# Altium PCB Archimajor.PcbDoc (part 7 of 12) (continued)
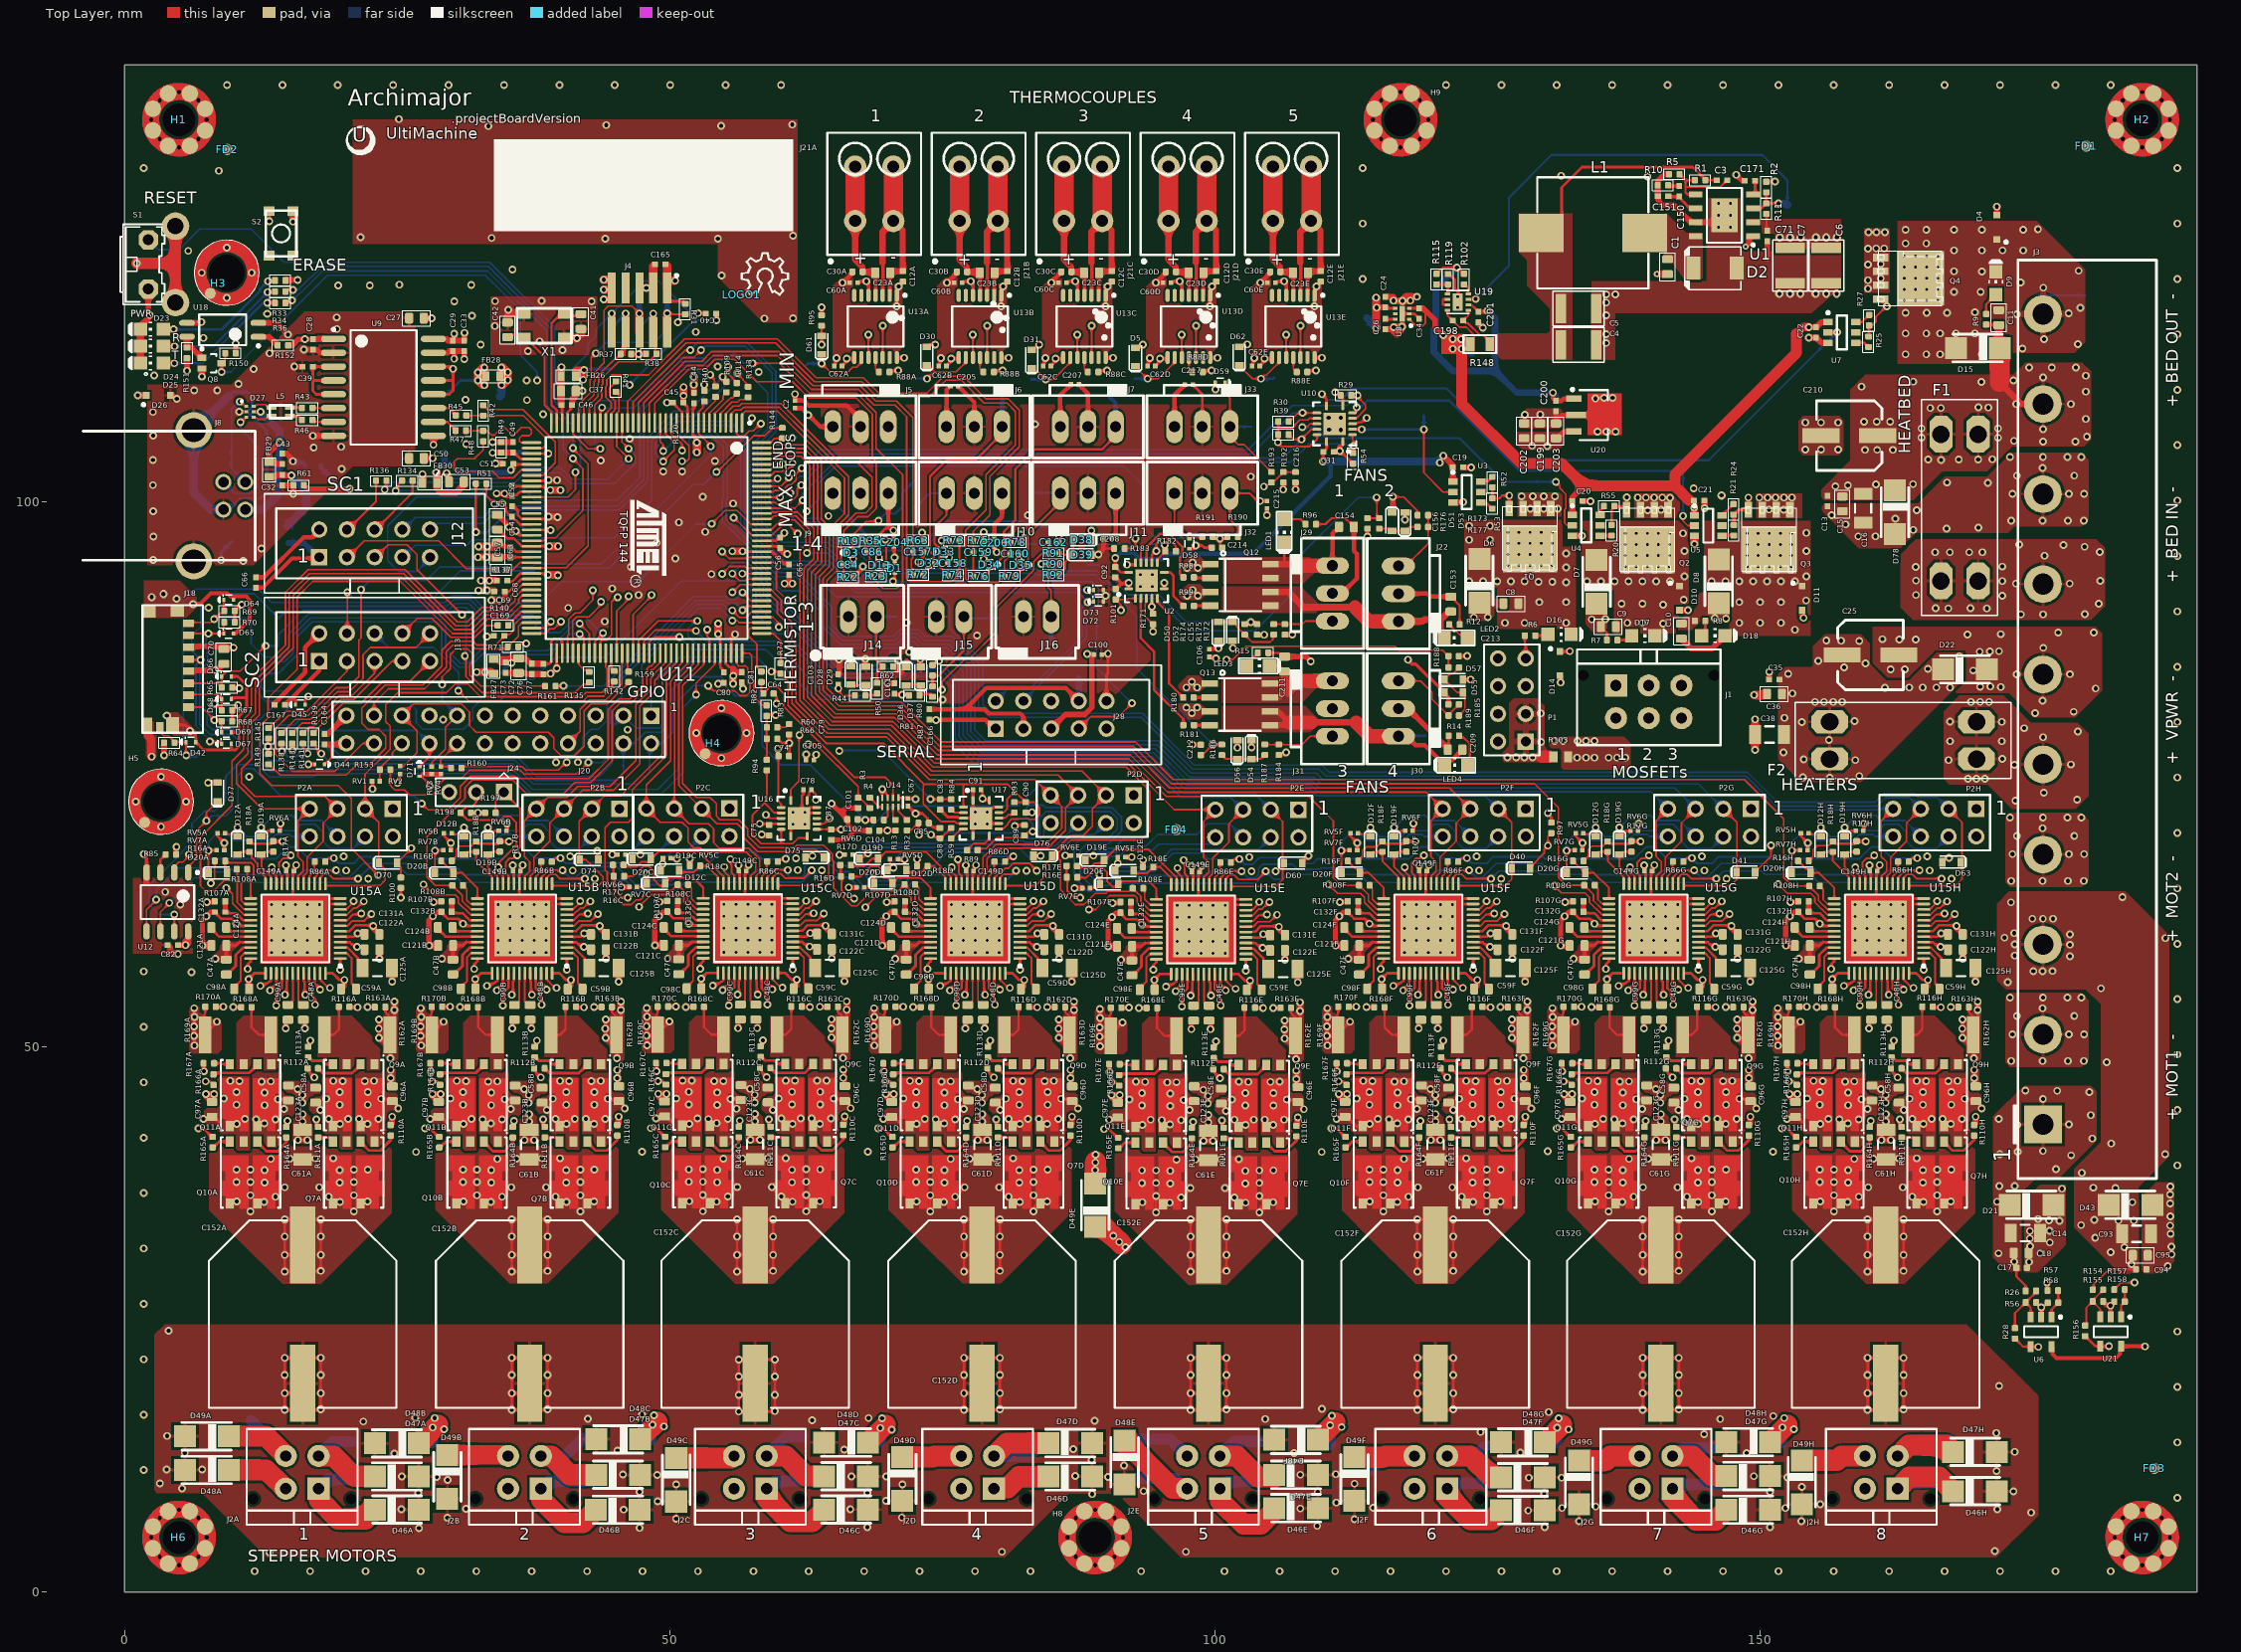
[diagram p0: Top Layer view]
## Nets (pads, with @x,y where several pads share a name; then routed paths per layer and width w, separated by ;. In a path a pad name is that pad's centre, name@x,y a point inside that pad or via, vN(x,y) a via of type N, cw(c..) or ccw(c..) an arc to the next point about the centre after c; other vN are vias at no path point) (continued)
  Top Layer w0.305: 107.806,121.909 107.863,121.851 107.863,120.401 107.818,120.355 U13E.3@107.818,118.889 ; U13E.2@108.468,118.889 108.483,118.904 108.483,120.948 C23E.2@108.496,120.961
  Top Layer w0.559: 107.806,121.909 107.806,124.715 J21E.2@108.798,125.708 109.664,124.841 C12E.1@109.664,121.106 ; C23E.2@108.498,120.961 108.643,121.106 C12E.1@109.664,121.106 ; C12E.1@109.677,121.106 C12E.1@109.664,121.106
  Top Layer w1.778: J21E.2@108.798,125.708 J21E.2@108.798,130.708
  Bottom Layer w0.203: J21E.2@108.798,125.708 108.798,128.089 TP23E.1@108.807,128.098
NetC23A_1: C23A.1 C30A.2 J21A.1 TP24A.1 U13A.4 | length 15.6
  Top Layer w0.305: U13A.4@68.865,118.889 C23A.1@68.865,120.961
  Top Layer w0.559: J21A.1@66.995,125.708 66.995,122.16 67.671,121.484 C30A.2@67.671,121.038 ; C30A.2@67.683,121.038 68.759,121.038 C23A.1@68.835,120.961
  Top Layer w1.778: J21A.1@66.995,125.708 J21A.1@66.995,130.708
  Bottom Layer w0.203: J21A.1@66.995,125.708 67.024,125.736 TP24A.1@67.024,128.098
NetC23B_1: C23B.1 C30B.2 J21B.1 TP24B.1 U13B.4 | length 15.6
  Top Layer w0.305: U13B.4@78.441,118.889 C23B.1@78.441,120.961
  Top Layer w0.559: J21B.1@76.571,125.708 76.571,122.16 77.247,121.484 C30B.2@77.247,121.038 ; C30B.2@77.259,121.038 78.334,121.038 C23B.1@78.411,120.961
  Top Layer w1.778: J21B.1@76.571,125.708 J21B.1@76.571,130.708
  Bottom Layer w0.203: J21B.1@76.571,125.708 76.613,125.75 TP24B.1@76.613,128.098
NetC23C_1: C23C.1 C30C.2 J21C.1 TP24C.1 U13C.4 | length 15.6
  Top Layer w0.305: U13C.4@88.016,118.889 C23C.1@88.016,120.961
  Top Layer w0.559: J21C.1@86.147,125.708 86.147,122.16 86.822,121.484 C30C.2@86.822,121.038 ; C30C.2@86.835,121.038 87.91,121.038 C23C.1@87.986,120.961
  Top Layer w1.778: J21C.1@86.147,125.708 J21C.1@86.147,130.708
  Bottom Layer w0.203: J21C.1@86.147,125.708 86.162,125.723 TP24C.1@86.162,128.098
NetC23D_1: C23D.1 C30D.2 J21D.1 TP24D.1 U13D.4 | length 15.6
  Top Layer w0.305: U13D.4@97.592,118.889 C23D.1@97.592,120.961
  Top Layer w0.559: J21D.1@95.722,125.708 95.722,122.16 96.398,121.484 C30D.2@96.398,121.038 ; C30D.2@96.41,121.038 97.486,121.038 C23D.1@97.562,120.961
  Top Layer w1.778: J21D.1@95.722,125.708 J21D.1@95.722,130.708
  Bottom Layer w0.203: J21D.1@95.722,125.708 95.771,125.756 TP24D.1@95.771,128.098
NetC23E_1: C23E.1 C30E.2 J21E.1 TP24E.1 U13E.4 | length 15.6
  Top Layer w0.305: U13E.4@107.168,118.889 C23E.1@107.168,120.961
  Top Layer w0.559: J21E.1@105.298,125.708 105.298,122.16 105.974,121.484 C30E.2@105.974,121.038 ; C30E.2@105.986,121.038 107.062,121.038 C23E.1@107.138,120.961
  Top Layer w1.778: J21E.1@105.298,125.708 J21E.1@105.298,130.708
  Bottom Layer w0.203: J21E.1@105.298,125.708 105.321,125.73 TP24E.1@105.321,128.098
NetC26_1: C26.1 U8.6 | length 0.9
  Top Layer w0.203: C26.1@115.592,116.75 115.636,116.705 U8.6@116.502,116.705
NetC41_2: C41.2 U11.35 X1.3 | length 12
  Top Layer w0.203: 39.167,116.331 39.167,108.818 39.629,108.356 U11.35@39.629,107.188 ; 39.166,116.331 39.842,117.008 C41.2@41.587,117.008
NetC42_2: C42.2 U11.36 X1.1 | length 10.6
  Top Layer w0.203: C42.2@35.237,115.306 X1.1@36.713,115.306 ; X1.1@36.63,115.003 X1.1@36.766,115.003 ; X1.1@36.912,115.003 X1.1@36.766,115.003 ; U11.36@39.129,107.188 39.129,108.209 38.512,108.826 38.512,113.257 X1.1@36.766,115.003
NetC43_2: C43.2 D27.5 FB29.2 J8.1 TP61.1 | length 16.2
  Top Layer w0.254: D27.5@11.843,108.213 12.421,108.213 12.421,108.187 v1@12.497,108.187
  Top Layer w0.508: v1(14.225,105.431) 13.296,104.502 FB29.2@13.296,103.584 13.812,103.584 13.812,103.524 13.895,103.441 C43.2@14.468,103.441
  Top Layer w0.635: J8.1@11.074,99.251 J8.1@11.108,99.218
  Bottom Layer w0.737: J8.1@11.074,99.251 12.725,99.251 13.974,100.5 13.974,103.315 TP61.1@14.075,103.416 14.075,104.036 14.224,104.185 14.224,106.439 13.058,107.605 ; v1(12.497,108.213) 12.497,108.111 13.03,107.578
NetC47A_1: C47A.1 U15A.34 | length 3.8
  Top Layer w0.203: 10.888,59.085 U15A.34@11.582,59.085
  Top Layer w0.254: C47A.1@9.385,56.573 10.211,57.399 10.211,58.408 10.888,59.085
NetC47B_1: C47B.1 U15B.34 | length 3.8
  Top Layer w0.203: 31.663,59.085 U15B.34@32.357,59.085
  Top Layer w0.254: C47B.1@30.16,56.573 30.986,57.399 30.986,58.408 31.663,59.085
NetC47C_1: C47C.1 U15C.34 | length 3.8
  Top Layer w0.203: 52.371,59.11 U15C.34@53.065,59.11
  Top Layer w0.254: C47C.1@50.868,56.597 51.694,57.423 51.694,58.432 52.371,59.11
NetC47D_1: C47D.1 U15D.34 | length 3.8
  Top Layer w0.203: 73.213,59.085 U15D.34@73.907,59.085
  Top Layer w0.254: C47D.1@71.71,56.573 72.536,57.399 72.536,58.408 73.213,59.085
NetC47E_1: C47E.1 U15E.34 | length 3.8
  Top Layer w0.203: 93.921,59.01 U15E.34@94.615,59.01
  Top Layer w0.254: C47E.1@92.418,56.497 93.244,57.323 93.244,58.332 93.921,59.01
NetC47F_1: C47F.1 U15F.34 | length 3.8
  Top Layer w0.203: 114.763,59.085 U15F.34@115.457,59.085
  Top Layer w0.254: C47F.1@113.26,56.573 114.086,57.399 114.086,58.408 114.763,59.085
NetC47G_1: C47G.1 U15G.34 | length 3.8
  Top Layer w0.203: 135.413,59.085 U15G.34@136.108,59.085
  Top Layer w0.254: C47G.1@133.91,56.573 134.736,57.399 134.736,58.408 135.413,59.085
NetC47H_1: C47H.1 U15H.34 | length 3.8
  Top Layer w0.203: 156.064,59.085 U15H.34@156.758,59.085
  Top Layer w0.254: C47H.1@154.56,56.573 155.386,57.399 155.386,58.408 156.064,59.085
NetC49_1: C49.1 R49.2 TP32.1 U11.40 | length 7
  Top Layer w0.229: C49.1@35.721,104.484 36.317,103.888 U11.40@37.329,103.888
  Top Layer w0.254: v1(33.757,104.458) v1@33.782,104.484 ; C49.1@35.593,104.484 C49.1@35.611,104.466
  Top Layer w0.508: v1@33.782,104.484 R49.2@34.544,104.484 C49.1@35.593,104.484
  Bottom Layer w0.305: v1(33.757,104.458) 33.82,104.521 TP32.1@36.957,104.521
NetC64_2: C64.2 R82.1 U14.2 | length 18.9
  Top Layer w0.152: R82.1@58.372,83.429 R82.1@58.393,83.429 58.393,82.559 C64.2@58.568,82.384 ; R82.1@58.463,83.509 R82.1@58.463,83.534
  Top Layer w0.165: C64.2@58.568,82.384 58.568,82.394 58.781,82.607 58.79,82.607 59.193,83.009 59.818,83.009 60.478,82.349 60.478,81.15 66.919,74.709 69.718,74.709 70.468,73.959 U14.2@70.468,72.817
NetC79_1: C79.1 R60.1 | length 1.2
  Top Layer w0.166: R60.1@59.848,79.284 60.624,79.284 60.924,79.584 C79.1@60.943,79.584
NetC124A_1: C124A.1 U15A.32 | length 4
  Top Layer w0.229: C124A.1@7.897,60.865 8.67,60.093 11.582,60.093 U15A.32@11.582,60.085
NetC124A_2: C124A.2 U15A.31 | length 2.4
  Top Layer w0.229: C124A.2@9.317,60.925 9.657,60.585 U15A.31@11.582,60.585
NetC124B_1: C124B.1 U15B.32 | length 4
  Top Layer w0.229: C124B.1@28.672,60.865 29.445,60.093 32.357,60.093 U15B.32@32.357,60.085
NetC124B_2: C124B.2 U15B.31 | length 2.4
  Top Layer w0.229: C124B.2@30.092,60.925 30.432,60.585 U15B.31@32.357,60.585
NetC124C_1: C124C.1 U15C.32 | length 4
  Top Layer w0.229: C124C.1@49.38,60.89 50.153,60.117 53.065,60.117 U15C.32@53.065,60.11
NetC124C_2: C124C.2 U15C.31 | length 2.4
  Top Layer w0.229: C124C.2@50.8,60.95 51.14,60.61 U15C.31@53.065,60.61
NetC124D_1: C124D.1 U15D.32 | length 4
  Top Layer w0.229: C124D.1@70.222,60.865 70.995,60.093 73.907,60.093 U15D.32@73.907,60.085
NetC124D_2: C124D.2 U15D.31 | length 2.4
  Top Layer w0.229: C124D.2@71.642,60.925 71.982,60.585 U15D.31@73.907,60.585
NetC124E_1: C124E.1 U15E.32 | length 4
  Top Layer w0.229: C124E.1@90.93,60.79 91.703,60.017 94.615,60.017 U15E.32@94.615,60.01
NetC124E_2: C124E.2 U15E.31 | length 2.4
  Top Layer w0.229: C124E.2@92.35,60.85 92.69,60.51 U15E.31@94.615,60.51
NetC124F_1: C124F.1 U15F.32 | length 4
  Top Layer w0.229: C124F.1@111.772,60.865 112.545,60.093 115.457,60.093 U15F.32@115.457,60.085
NetC124F_2: C124F.2 U15F.31 | length 2.4
  Top Layer w0.229: C124F.2@113.192,60.925 113.532,60.585 U15F.31@115.457,60.585
NetC124G_1: C124G.1 U15G.32 | length 4
  Top Layer w0.229: C124G.1@132.423,60.865 133.195,60.093 136.108,60.093 U15G.32@136.108,60.085
NetC124G_2: C124G.2 U15G.31 | length 2.4
  Top Layer w0.229: C124G.2@133.843,60.925 134.183,60.585 U15G.31@136.108,60.585
NetC124H_1: C124H.1 U15H.32 | length 4
  Top Layer w0.229: C124H.1@153.073,60.865 153.845,60.093 156.758,60.093 U15H.32@156.758,60.085
NetC124H_2: C124H.2 U15H.31 | length 2.4
  Top Layer w0.229: C124H.2@154.493,60.925 154.833,60.585 U15H.31@156.758,60.585
NetC125A_2: C125A.2 U15A.3 | length 3.1
  Top Layer w0.229: U15A.3@19.782,59.085 20.45,59.085 21.412,58.123 21.412,57.971 21.862,57.521 C125A.2@21.862,57.2
NetC125B_2: C125B.2 U15B.3 | length 3.1
  Top Layer w0.229: U15B.3@40.557,59.085 41.225,59.085 42.187,58.123 42.187,57.971 42.637,57.521 C125B.2@42.637,57.2
NetC125C_2: C125C.2 U15C.3 | length 3.1
  Top Layer w0.229: U15C.3@61.265,59.11 61.933,59.11 62.895,58.148 62.895,57.995 63.345,57.545 C125C.2@63.345,57.225
NetC125D_2: C125D.2 U15D.3 | length 3.1
  Top Layer w0.229: U15D.3@82.107,59.085 82.775,59.085 83.737,58.123 83.737,57.971 84.187,57.521 C125D.2@84.187,57.2
NetC125E_2: C125E.2 U15E.3 | length 3.1
  Top Layer w0.229: U15E.3@102.815,59.01 103.483,59.01 104.445,58.048 104.445,57.895 104.895,57.445 C125E.2@104.895,57.125
NetC125F_2: C125F.2 U15F.3 | length 3.1
  Top Layer w0.229: U15F.3@123.657,59.085 124.325,59.085 125.287,58.123 125.287,57.971 125.737,57.521 C125F.2@125.737,57.2
NetC125G_2: C125G.2 U15G.3 | length 3.1
  Top Layer w0.229: U15G.3@144.308,59.085 144.976,59.085 145.938,58.123 145.938,57.971 146.388,57.521 C125G.2@146.388,57.2
NetC125H_2: C125H.2 U15H.3 | length 3.1
  Top Layer w0.229: U15H.3@164.958,59.085 165.626,59.085 166.588,58.123 166.588,57.971 167.038,57.521 C125H.2@167.038,57.2
NetC131A_2: C131A.2 R107A.2 U15A.5 | length 18.9
  Top Layer w0.229: U15A.5@19.782,60.085 21.077,60.085 v1(21.377,60.385)
  Top Layer w0.305: v1(7.562,63.25) 8.23,63.25 R107A.2@8.28,63.3
  Top Layer w0.508: v1(21.377,60.385) v1@21.392,60.4
  Top Layer w0.61: v1@21.392,60.4 C131A.2@21.932,60.4
  Mid1 w0.305: v1(7.562,63.25) 7.612,63.25 7.937,62.925 10.987,62.925 11.762,63.7 18.237,63.7 21.012,60.925 21.012,60.75 v1(21.377,60.385) v1@21.377,60.26
  Mid1 w0.559: v1(21.377,60.385) v1@21.417,60.425
NetC131B_2: C131B.2 R107B.2 U15B.5 | length 18.9
  Top Layer w0.229: U15B.5@40.557,60.085 41.852,60.085 v1(42.152,60.385)
  Top Layer w0.305: v1(28.337,63.25) 29.005,63.25 R107B.2@29.055,63.3
  Top Layer w0.508: v1(42.152,60.385) v1@42.167,60.4
  Top Layer w0.61: v1@42.167,60.4 C131B.2@42.707,60.4
  Mid1 w0.305: v1(28.337,63.25) 28.387,63.25 28.712,62.925 31.762,62.925 32.537,63.7 39.012,63.7 41.787,60.925 41.787,60.75 v1(42.152,60.385) v1@42.152,60.26
  Mid1 w0.559: v1(42.152,60.385) v1@42.192,60.425
NetC131C_2: C131C.2 R107C.2 U15C.5 | length 18.9
  Top Layer w0.229: U15C.5@61.265,60.11 62.56,60.11 v1(62.86,60.41)
  Top Layer w0.305: v1(49.045,63.275) 49.713,63.275 R107C.2@49.763,63.325
  Top Layer w0.508: v1(62.86,60.41) v1@62.875,60.425
  Top Layer w0.61: v1@62.875,60.425 C131C.2@63.415,60.425
  Mid1 w0.305: v1(49.045,63.275) 49.095,63.275 49.42,62.95 52.47,62.95 53.245,63.725 59.72,63.725 62.495,60.95 62.495,60.775 v1(62.86,60.41) v1@62.86,60.285
  Mid1 w0.559: v1(62.86,60.41) v1@62.9,60.45
NetC131D_2: C131D.2 R107D.2 U15D.5 | length 18.9
  Top Layer w0.229: U15D.5@82.107,60.085 83.402,60.085 v1(83.702,60.385)
  Top Layer w0.305: v1(69.887,63.25) 70.555,63.25 R107D.2@70.605,63.3
  Top Layer w0.508: v1(83.702,60.385) v1@83.717,60.4
  Top Layer w0.61: v1@83.717,60.4 C131D.2@84.257,60.4
  Mid1 w0.305: v1(69.887,63.25) 69.937,63.25 70.262,62.925 73.312,62.925 74.087,63.7 80.562,63.7 83.337,60.925 83.337,60.75 v1(83.702,60.385) v1@83.702,60.26
  Mid1 w0.559: v1(83.702,60.385) v1@83.742,60.425
NetC131E_2: C131E.2 R107E.2 U15E.5 | length 18.9
  Top Layer w0.229: U15E.5@102.815,60.01 104.11,60.01 v1(104.41,60.31)
  Top Layer w0.305: v1(90.595,63.175) 91.263,63.175 R107E.2@91.313,63.225
  Top Layer w0.508: v1(104.41,60.31) v1@104.425,60.325
  Top Layer w0.61: v1@104.425,60.325 C131E.2@104.965,60.325
  Mid1 w0.305: v1(90.595,63.175) 90.645,63.175 90.97,62.85 94.02,62.85 94.795,63.625 101.27,63.625 104.045,60.85 104.045,60.675 v1(104.41,60.31) v1@104.41,60.185
  Mid1 w0.559: v1(104.41,60.31) v1@104.45,60.35
NetC131F_2: C131F.2 R107F.2 U15F.5 | length 18.7
  Top Layer w0.229: U15F.5@123.657,60.085 124.952,60.085 v1(125.252,60.385)
  Top Layer w0.305: v1(111.437,63.25) 112.105,63.25 R107F.2@112.155,63.3
  Top Layer w0.508: v1(125.252,60.385) v1@125.267,60.4
  Top Layer w0.61: v1@125.267,60.4 C131F.2@125.807,60.4
  Mid1 w0.305: v1(111.437,63.25) 115.187,63.25 115.637,63.7 122.112,63.7 124.887,60.925 124.887,60.75 v1(125.252,60.385) v1@125.252,60.26
  Mid1 w0.559: v1(125.252,60.385) v1@125.292,60.425
NetC131G_2: C131G.2 R107G.2 U15G.5 | length 18.7
  Top Layer w0.229: U15G.5@144.308,60.085 145.603,60.085 v1(145.903,60.385)
  Top Layer w0.305: v1(132.088,63.25) 132.755,63.25 R107G.2@132.805,63.3
  Top Layer w0.508: v1(145.903,60.385) v1@145.918,60.4
  Top Layer w0.61: v1@145.918,60.4 C131G.2@146.458,60.4
  Mid1 w0.305: v1(132.088,63.25) 135.838,63.25 136.288,63.7 142.763,63.7 145.538,60.925 145.538,60.75 v1(145.903,60.385) v1@145.903,60.26
  Mid1 w0.559: v1(145.903,60.385) v1@145.943,60.425
NetC131H_2: C131H.2 R107H.2 U15H.5 | length 18.7
  Top Layer w0.229: U15H.5@164.958,60.085 166.253,60.085 v1(166.553,60.385)
  Top Layer w0.305: v1(152.738,63.25) 153.405,63.25 R107H.2@153.455,63.3
  Top Layer w0.508: v1(166.553,60.385) v1@166.568,60.4
  Top Layer w0.61: v1@166.568,60.4 C131H.2@167.108,60.4
  Mid1 w0.305: v1(152.738,63.25) 156.488,63.25 156.938,63.7 163.413,63.7 166.188,60.925 166.188,60.75 v1(166.553,60.385) v1@166.553,60.26
  Mid1 w0.559: v1(166.553,60.385) v1@166.593,60.425
NetC132A_2: C132A.2 R107A.1 U15A.29 | length 3.6
  Top Layer w0.229: C132A.2@9.245,62.25 10.239,62.25 10.904,61.585 U15A.29@11.582,61.585
  Top Layer w0.254: C132A.2@9.242,62.328 C132A.2@9.245,62.325
  Top Layer w0.406: C132A.2@9.242,62.328 R107A.1@9.242,63.3
NetC132B_2: C132B.2 R107B.1 U15B.29 | length 3.6
  Top Layer w0.229: C132B.2@30.02,62.25 31.014,62.25 31.679,61.585 U15B.29@32.357,61.585
  Top Layer w0.254: C132B.2@30.017,62.328 C132B.2@30.02,62.325
  Top Layer w0.406: C132B.2@30.017,62.328 R107B.1@30.017,63.3
NetC132C_2: C132C.2 R107C.1 U15C.29 | length 3.6
  Top Layer w0.229: C132C.2@50.728,62.275 51.722,62.275 52.387,61.61 U15C.29@53.065,61.61
  Top Layer w0.254: C132C.2@50.725,62.352 C132C.2@50.728,62.35
  Top Layer w0.406: C132C.2@50.725,62.352 R107C.1@50.725,63.325
NetC132D_2: C132D.2 R107D.1 U15D.29 | length 3.6
  Top Layer w0.229: C132D.2@71.57,62.25 72.564,62.25 73.229,61.585 U15D.29@73.907,61.585
  Top Layer w0.254: C132D.2@71.567,62.328 C132D.2@71.57,62.325
  Top Layer w0.406: C132D.2@71.567,62.328 R107D.1@71.567,63.3
NetC132E_2: C132E.2 R107E.1 U15E.29 | length 3.6
  Top Layer w0.229: C132E.2@92.278,62.175 93.272,62.175 93.937,61.51 U15E.29@94.615,61.51
  Top Layer w0.254: C132E.2@92.275,62.252 C132E.2@92.278,62.25
  Top Layer w0.406: C132E.2@92.275,62.252 R107E.1@92.275,63.225
NetC132F_2: C132F.2 R107F.1 U15F.29 | length 3.6
  Top Layer w0.229: C132F.2@113.12,62.25 114.114,62.25 114.779,61.585 U15F.29@115.457,61.585
  Top Layer w0.254: C132F.2@113.117,62.328 C132F.2@113.12,62.325
  Top Layer w0.406: C132F.2@113.117,62.328 R107F.1@113.117,63.3
NetC132G_2: C132G.2 R107G.1 U15G.29 | length 3.6
  Top Layer w0.229: C132G.2@133.77,62.25 134.764,62.25 135.429,61.585 U15G.29@136.108,61.585
  Top Layer w0.254: C132G.2@133.768,62.328 C132G.2@133.77,62.325
  Top Layer w0.406: C132G.2@133.768,62.328 R107G.1@133.768,63.3
NetC132H_2: C132H.2 R107H.1 U15H.29 | length 3.6
  Top Layer w0.229: C132H.2@154.42,62.25 155.415,62.25 156.08,61.585 U15H.29@156.758,61.585
  Top Layer w0.254: C132H.2@154.418,62.328 C132H.2@154.42,62.325
  Top Layer w0.406: C132H.2@154.418,62.328 R107H.1@154.418,63.3
NetC150_1: C150.1 R10.2 | length 1
  Top Layer w0.254: R10.2@141.538,128.974 141.592,128.919 C150.1@142.554,128.919
NetC150_2: C150.2 C151.2 U1.6 | length 3.3
  Top Layer w0.254: C151.2@141.559,127.932 142.477,127.932 142.8,127.61 ; 142.8,127.599 142.993,127.405 ; U1.6@144.069,126.866 143.533,126.866 143.265,127.134 ; 142.993,127.405 143.004,127.405 143.265,127.145 143.265,127.134 ; 142.993,127.405 143.265,127.134
NetC153_2: C153.2 J22.1 LED2.C Q12.5 TP2.TP | length 22.8
  Top Layer w0.61: Q12.5@105.081,91.701 106.701,91.701 108.112,90.29 112.812,90.29 112.818,90.284 ; J22.1@116.8,88.995 119.028,88.995 119.193,89.159 120.675,89.159 ; LED2.C@121.007,87.486 120.703,87.791 120.703,88.233 120.675,88.26 120.675,89.159 ; C153.2@121.618,89.904 121.553,89.839 121.356,89.839 120.675,89.159
  Top Layer w1.27: 112.818,90.284 114.107,88.995 J22.1@116.8,88.995
  Bottom Layer w0.203: TP2.TP@113.843,88.984 J22.1@116.789,88.984
  Bottom Layer w1.27: J22.1@116.789,88.984 J22.1@116.8,88.995
NetC154_2: C154.2 J29.1 LED1.C Q12.7 TP8.TP | length 13.9
  Top Layer w0.203: 106.343,94.241 LED1.C@106.343,96.243 ; C154.2@111.363,97.554 C154.2@111.363,97.659
  Top Layer w0.406: J29.1@110.75,94.1 110.75,97.046 110.993,97.29 111.098,97.29 C154.2@111.363,97.554
  Top Layer w0.61: Q12.7@105.081,94.241 106.343,94.241 107.567,94.241 107.708,94.1
  Top Layer w1.27: 107.708,94.1 J29.1@110.75,94.1
  Bottom Layer w0.203: J29.1@110.75,94.1 TP8.TP@110.75,96.359
NetC169_1: C169.1 R149.2 U11.69 | length 37.5
  Top Layer w0.152: R149.2@13.259,75.909 14.272,74.896 20.328,74.896 21.265,75.832 22.418,75.832 23.952,77.366 23.952,78.466 23.335,79.084 22.352,79.084 21.768,79.668 21.768,81.039 23.901,83.173 27.381,83.173 29.108,84.9 29.108,86.348 29.933,87.173 31.968,87.173 32.304,86.837 34.02,86.837 C169.1@34.683,87.499 ; C169.1@34.798,87.796 35.303,87.796 35.761,88.254 35.761,88.733 36.415,89.388 U11.69@37.329,89.388
NetC171_2: C171.2 U1.4 | length 1.4
  Top Layer w0.254: U1.4@149.319,128.136 149.509,128.326 C171.2@149.509,129.456
NetC209_2: C209.2 J30.1 LED4.C Q13.5 TP17.TP | length 24.8
  Top Layer w0.406: J30.1@116.8,78.46 117.558,78.46 118.359,77.659 119.201,77.659 LED4.C@121.051,75.809 121.457,76.216 121.654,76.216 122.376,76.938 122.506,76.938 122.673,77.104 C209.2@122.673,77.234
  Top Layer w0.508: Q13.5@105.019,79.48 106.538,79.48 106.788,79.73 105.768,80.75 Q13.5@105.019,80.75
  Top Layer w0.61: 108.793,79.73 112.947,79.73
  Top Layer w1.27: 106.788,79.73 108.793,79.73 ; 112.947,79.73 114.217,78.46 J30.1@116.8,78.46
  Bottom Layer w0.203: J30.1@116.8,78.46 116.849,78.509 TP17.TP@119.293,78.509
NetC211_2: C211.2 J31.1 LED3.C Q13.7 TP18.TP | length 14.1
  Top Layer w0.203: LED3.C@104.985,84.909 105.85,84.909 105.998,84.762 105.998,84.669 106.263,84.404 C211.2@106.368,84.404
  Top Layer w0.508: Q13.7@105.019,82.02 105.069,82.071 105.929,82.071 106.593,82.734 106.305,83.022 ; Q13.7@105.019,83.29 105.069,83.239 106.088,83.239 106.305,83.022 ; C211.2@106.368,84.404 106.368,83.084 106.305,83.022
  Top Layer w1.27: 106.593,82.734 107.398,83.54 J31.1@110.75,83.54
  Bottom Layer w0.203: TP18.TP@107.843,83.534 110.744,83.534 J31.1@110.75,83.54
NetD3_C: D3.C J5.1 R19.2 TP25.1 | length 19.9
  Top Layer w0.203: D3.C@66.168,95.309 66.168,95.434 66.799,96.065 66.799,96.233 R19.2@66.9,96.334 66.893,96.342 66.893,97.029 67.998,98.134 68.33,98.134 68.331,98.135 68.36,98.135 68.393,98.168 69.073,98.168 v3(69.141,98.236)
  Mid1 w0.203: v3(69.141,98.236) 69.141,98.248 68.781,98.609 68.781,103.222 70.028,104.469 J5.1@70.028,106.846
  Bottom Layer w0.203: v3(69.141,98.236) 69.141,98.443 69.245,98.339 69.766,98.86 70.675,98.86 71.325,99.51 71.325,100.789 TP25.1@72.517,101.981 ; J5.1@70.025,106.849 J5.1@70.028,106.846
NetD9_A: D9.A R9.1 | length 2.1
  Top Layer w0.203: R9.1@170.693,117.178 170.693,118.073 D9.A@171.568,118.948
NetD12A_A: D12A.A R18A.1 U15A.24 | length 4.7
  Top Layer w0.178: D12A.A@10.362,67.6 10.632,67.87 R18A.1@11.462,67.87 ; R18A.1@11.462,67.76 11.586,67.76 11.664,67.682 11.664,67.335 12.206,66.794 12.206,66.282 12.932,65.555 U15A.24@12.932,64.935
NetD12B_A: D12B.A R18B.1 U15B.24 | length 4.6
  Top Layer w0.178: D12B.A@31.137,67.6 31.407,67.87 R18B.1@32.237,67.87 ; R18B.1@32.237,67.76 32.237,67.025 33.707,65.555 U15B.24@33.707,64.935
NetD12C_A: D12C.A R18C.1 U15C.24 | length 4.9
  Top Layer w0.178: D12C.A@50.833,66.059 50.908,65.984 52.188,65.984 52.572,66.368 52.585,66.368 52.788,66.571 R18C.1@52.788,66.584 53.411,66.584 54.415,65.58 U15C.24@54.415,64.96
NetD12D_A: D12D.A R18D.1 U15D.24 | length 4.9
  Top Layer w0.178: D12D.A@71.675,66.035 71.75,65.96 73.03,65.96 73.414,66.344 73.427,66.344 73.63,66.547 R18D.1@73.63,66.56 74.253,66.56 75.257,65.555 U15D.24@75.257,64.935
NetD12E_A: D12E.A R18E.1 U15E.24 | length 4.9
  Top Layer w0.178: D12E.A@92.383,65.959 92.458,65.884 93.738,65.884 94.122,66.268 94.135,66.268 94.338,66.471 R18E.1@94.338,66.484 94.961,66.484 95.965,65.48 U15E.24@95.965,64.86
NetD12F_A: D12F.A R18F.1 U15F.24 | length 4.6
  Top Layer w0.178: D12F.A@114.237,67.6 114.507,67.87 R18F.1@115.337,67.87 ; R18F.1@115.337,67.76 115.337,67.025 116.807,65.555 U15F.24@116.807,64.935
NetD12G_A: D12G.A R18G.1 U15G.24 | length 4.6
  Top Layer w0.178: D12G.A@134.888,67.6 135.158,67.87 R18G.1@135.988,67.87 ; R18G.1@135.988,67.76 135.988,67.025 137.458,65.555 U15G.24@137.458,64.935
NetD12H_A: D12H.A R18H.1 U15H.24 | length 4.6
  Top Layer w0.178: D12H.A@155.538,67.6 155.808,67.87 R18H.1@156.638,67.87 ; R18H.1@156.638,67.76 156.638,67.025 158.108,65.555 U15H.24@158.108,64.935
NetD13_C: D13.C J9.1 R23.2 TP67.1 | length 10.6
  Top Layer w0.203: R23.2@69.524,93.213 69.4,93.337 69.4,93.822 69.852,94.273 69.852,96.263 69.741,96.373 v3(69.741,96.511)
  Bottom Layer w0.203: J9.1@64.948,100.75 64.948,99.988 68.425,96.511 v3(69.741,96.511)
NetD16_A: D16.A R6.1 | length 1.2
  Top Layer w0.203: R6.1@129.348,87.684 130.393,87.684 D16.A@130.518,87.809
NetD17_A: D17.A R7.1 | length 1.5
  Top Layer w0.203: R7.1@136.873,87.284 137.799,87.284 D17.A@138.2,87.685
NetD18_A: D18.A R8.1 | length 1.5
  Top Layer w0.203: D18.A@144.618,87.685 144.935,88.002 R8.1@144.935,89.034
NetD19A_A: D19A.A R17A.2 U15A.23 | length 4.2
  Top Layer w0.178: U15A.23@13.432,64.935 13.432,65.595 12.587,66.441 12.587,67.551 D19A.A@12.537,67.6 12.807,67.87 R17A.2@13.637,67.87
NetD19B_A: D19B.A R17B.2 U15B.23 | length 4.2
  Top Layer w0.178: U15B.23@34.207,64.935 34.207,65.595 33.312,66.49 D19B.A@33.312,67.6 33.582,67.87 R17B.2@34.412,67.87
NetD19C_A: D19C.A R17C.2 U15C.23 | length 11.4
  Top Layer w0.178: R17C.2@45.815,66.659 45.965,66.509 46.977,66.509 47.402,66.934 48.147,66.934 48.358,67.145 D19C.A@48.358,67.234 ; D19C.A@48.333,67.259 48.97,67.897 52.638,67.897 54.915,65.619 U15C.23@54.915,64.96
NetD19D_A: D19D.A R17D.2 U15D.23 | length 11.4
  Top Layer w0.178: R17D.2@66.658,66.635 66.74,66.553 67.831,66.553 68.356,67.078 68.416,67.078 68.564,67.226 69.095,67.226 69.2,67.121 D19D.A@69.2,67.21 ; D19D.A@69.175,67.235 69.812,67.872 73.48,67.872 75.757,65.595 U15D.23@75.757,64.935
NetD19E_A: D19E.A R17E.2 U15E.23 | length 11.6
  Top Layer w0.178: R17E.2@87.365,66.559 87.515,66.409 88.527,66.409 88.952,66.834 89.697,66.834 89.908,67.045 D19E.A@89.908,67.134 ; D19E.A@89.883,67.159 90.799,68.076 93.908,68.076 96.465,65.519 U15E.23@96.465,64.86
NetD19F_A: D19F.A R17F.2 U15F.23 | length 4.2
  Top Layer w0.178: U15F.23@117.307,64.935 117.307,65.595 116.412,66.49 D19F.A@116.412,67.6 116.682,67.87 R17F.2@117.512,67.87
NetD19G_A: D19G.A R17G.2 U15G.23 | length 4.2
  Top Layer w0.178: U15G.23@137.958,64.935 137.958,65.595 137.063,66.49 D19G.A@137.063,67.6 137.333,67.87 R17G.2@138.163,67.87
NetD19H_A: D19H.A R17H.2 U15H.23 | length 4.2
  Top Layer w0.178: U15H.23@158.608,64.935 158.608,65.595 157.713,66.49 D19H.A@157.713,67.6 157.983,67.87 R17H.2@158.813,67.87
NetD20A_A: D20A.A R16A.1 U15A.25 | length 7
  Top Layer w0.178: R16A.1@9.235,67.035 R16A.1@9.235,66.876 ; D20A.A@9.395,65.935 9.235,66.095 R16A.1@9.235,66.876 ; U15A.25@11.582,63.585 11.582,65.235 11.825,65.478 11.825,66.636 11.588,66.873 9.238,66.873 R16A.1@9.235,66.876
NetD20B_A: D20B.A R16B.1 U15B.25 | length 5.4
  Top Layer w0.152: R16B.1@29.05,67.035 29.05,67.029 29.272,66.807 29.298,66.807 29.846,66.259 29.946,66.259 30.17,66.035 D20B.A@30.17,65.935
  Top Layer w0.178: D20B.A@30.17,65.935 30.977,65.935 32.357,64.555 U15B.25@32.357,63.585
NetD20C_A: D20C.A R16C.1 U15C.25 | length 10.3
  Top Layer w0.178: R16C.1@46.038,65.61 46.633,65.61 47.551,66.527 48.115,66.527 48.531,66.112 ; 48.533,66.109 48.531,66.112 ; D20C.A@49.583,64.759 49.083,64.759 48.531,65.312 48.531,66.112 ; D20C.A@49.583,64.934 D20C.A@49.583,64.984 49.583,65.061 49.998,65.476 52.169,65.476 53.065,64.58 U15C.25@53.065,63.61
NetD20D_A: D20D.A R16D.1 U15D.25 | length 10.1
  Top Layer w0.178: R16D.1@66.88,65.585 67.475,65.585 68.028,66.138 68.028,66.166 68.408,66.545 69.104,66.545 69.381,66.268 69.381,65.68 69.552,65.509 69.942,65.509 70.475,64.976 70.475,65.053 70.923,65.501 72.962,65.501 73.907,64.555 U15D.25@73.907,63.585
NetD20E_A: D20E.A R16E.1 U15E.25 | length 10.2
  Top Layer w0.178: R16E.1@87.588,65.51 88.183,65.51 89.101,66.427 89.665,66.427 90.081,66.012 ; 90.083,66.009 90.081,66.012 ; D20E.A@91.133,64.659 90.633,64.659 90.081,65.212 90.081,66.012 ; D20E.A@91.183,64.609 91.183,64.871 91.471,65.159 93.936,65.159 94.615,64.48 U15E.25@94.615,63.51
NetD20F_A: D20F.A R16F.1 U15F.25 | length 5.4
  Top Layer w0.152: R16F.1@112.15,67.035 112.15,67.029 112.372,66.807 112.379,66.807 112.926,66.259 113.046,66.259 113.27,66.035 D20F.A@113.27,65.935
  Top Layer w0.178: D20F.A@113.27,65.935 114.077,65.935 115.457,64.555 U15F.25@115.457,63.585
NetD20G_A: D20G.A R16G.1 U15G.25 | length 5.3
  Top Layer w0.152: R16G.1@132.8,67.035 132.8,67.029 133.023,66.807 133.048,66.807 D20G.A@133.92,65.935
  Top Layer w0.178: D20G.A@133.92,65.935 134.728,65.935 136.108,64.555 U15G.25@136.108,63.585
NetD20H_A: D20H.A R16H.1 U15H.25 | length 5.4
  Top Layer w0.178: R16H.1@153.45,67.035 153.45,67.022 153.653,66.82 153.666,66.82 154.239,66.247 154.359,66.247 154.57,66.035 D20H.A@154.57,65.935 155.378,65.935 156.758,64.555 U15H.25@156.758,63.585
NetD23_A: D23.A R33.1 | length 12.2
  Top Layer w0.254: v1(13.156,120.189) 13.738,120.189 R33.1@13.803,120.254
  Top Layer w0.508: D23.A@3.582,115.781 3.588,115.787 3.599,115.776 v1(4.512,115.776)
  Bottom Layer w0.254: v1(4.512,115.776) 4.533,115.755 8.906,115.755 12.433,119.282 12.433,119.472 13.151,120.189 v1(13.156,120.189)
NetD24_A: D24.A R34.2 | length 12.3
  Top Layer w0.203: v1(13.119,119.187) 13.743,119.187 R34.2@13.796,119.241
  Top Layer w0.508: D24.A@3.582,114.231 3.598,114.215 v1(4.582,114.215)
  Bottom Layer w0.203: v1@4.57,114.228 4.581,114.218 8.149,114.218 v1(13.119,119.187)
NetD25_A: D25.A R36.2 | length 12.5
  Top Layer w0.203: D25.A@3.582,112.682 D25.A@3.594,112.67 ; v1(13.106,118.212) 13.782,118.212 R36.2@13.796,118.198
  Top Layer w0.508: D25.A@3.594,112.67 v1(4.572,112.67)
  Bottom Layer w0.203: v1(4.572,112.67) 7.176,112.67 12.718,118.212 v1(13.106,118.212)
NetD27_1: D27.1 J8.2 TP5.1 | length 9
  Top Layer w0.152: v1@10.547,109.133 10.631,109.133 11.052,108.713 D27.1@11.169,108.713
  Bottom Layer w0.152: v1@10.535,109.184 9.804,108.453 9.804,103.041 J8.2@11.074,101.771 J8.2@11.08,101.771
  other v1: 10.566,109.152
NetD27_3: D27.3 J8.3 TP6.1 | length 11.2
  Top Layer w0.152: v1(10.643,107.273) 10.744,107.374 10.83,107.374 D27.3@11.169,107.713
  Bottom Layer w0.152: J8.3@9.068,101.771 10.115,100.724 11.608,100.724 12.243,101.359 12.243,105.042 TP6.1@11.405,105.881 10.643,106.643 v1(10.643,107.273)
NetD27_4: D27.4 L5.2 | length 1.8
  Top Layer w0.152: D27.4@11.857,107.699 12.059,107.699 ; 12.054,107.694 12.059,107.699 ; L5.2@13.476,107.813 13.164,107.813 12.89,107.539 12.218,107.539 12.059,107.699
NetD27_6: D27.6 L5.3 | length 1.8
  Top Layer w0.152: D27.6@11.843,108.713 11.965,108.713 12.138,108.886 12.915,108.886 13.189,108.613 L5.3@13.476,108.613